# Altium PCB Weather_Station_ETH_HERMETIC.PcbDoc (part 4 of 5)
Units mil, origin at the board's own origin, x right, y up, seen from the top; angles counter-clockwise.
Board outline 6385.86 x 4338.61 mil, 2 copper layers (TopLayer, BottomLayer), stack 61.855 mil thick; 510 components, 370 nets, 1634 pads, 870 vias.
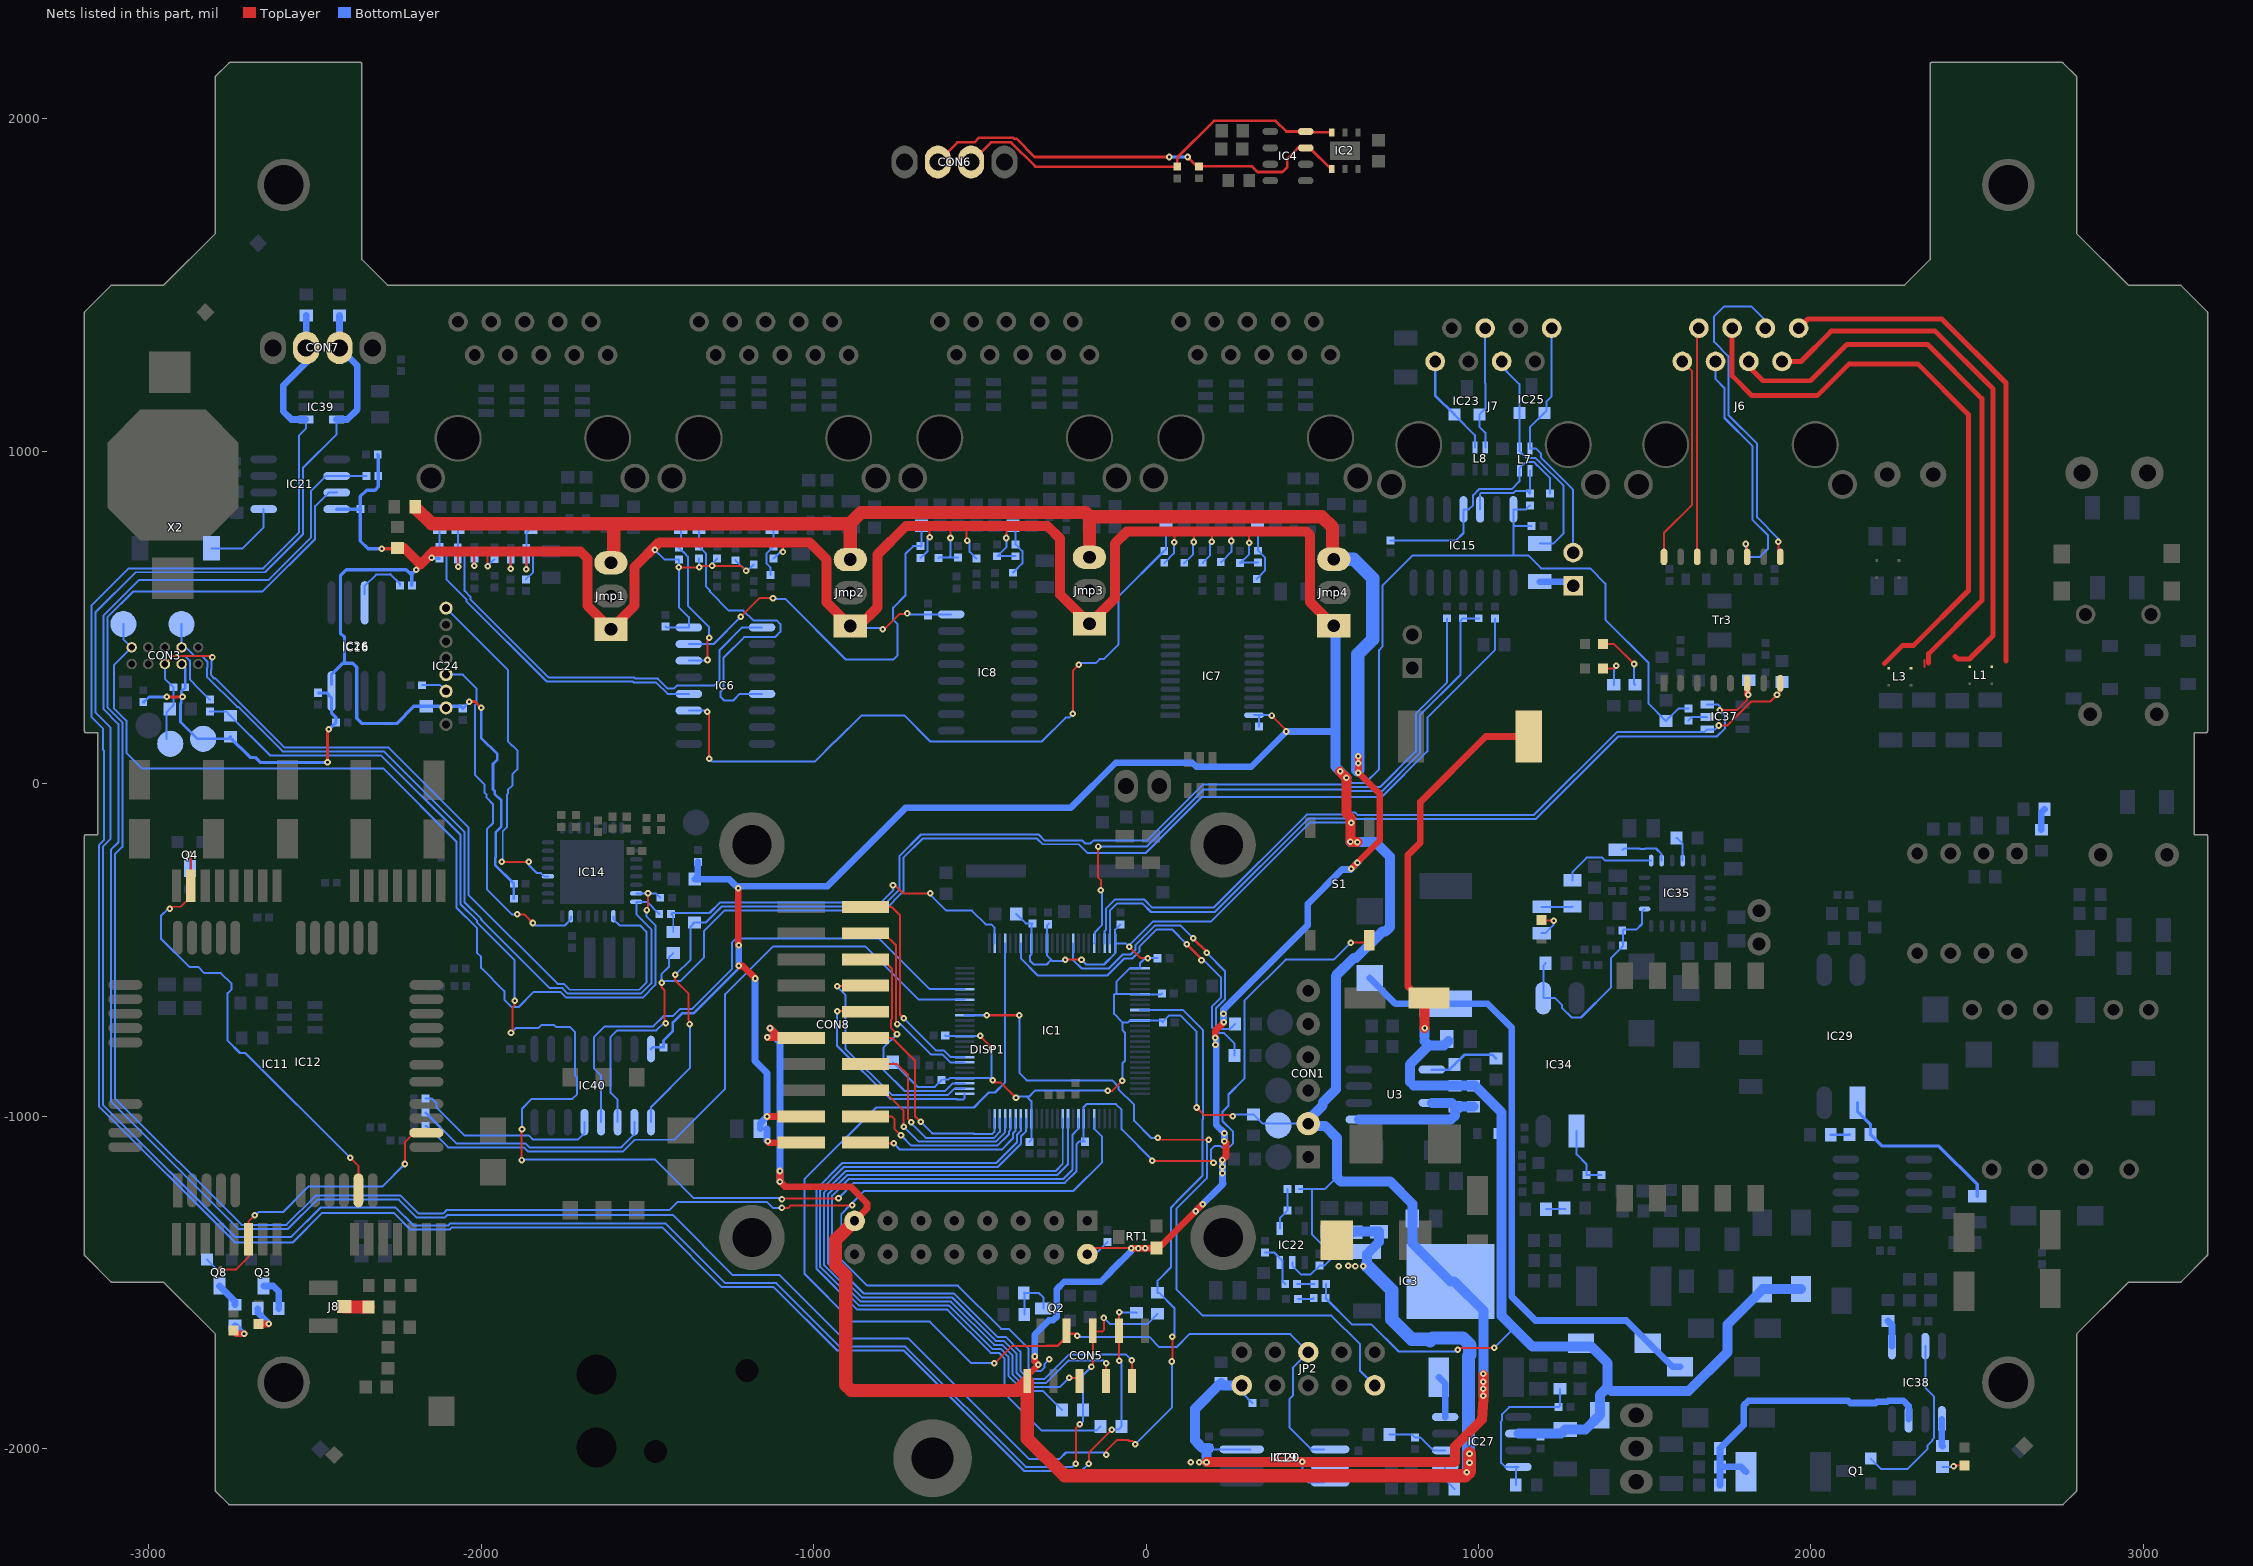
[diagram p4: the nets of this part, all layers, seen from the top]

## Via types
v1: diameter 19.68, hole 7.87, TopLayer to BottomLayer, tented both sides, 857 vias
v2: diameter 31.5, hole 15.75, TopLayer to BottomLayer, tented top, 9 vias
v3: diameter 25.98, hole 12.99, TopLayer to BottomLayer, tented top, 4 vias

## Nets (pads, with @x,y where several pads share a name; then routed paths per layer and width w, separated by ;. In a path a pad name is that pad's centre, name@x,y a point inside that pad or via, vN(x,y) a via of type N, cw(c..) or ccw(c..) an arc to the next point about the centre after c; other vN are vias at no path point) (continued)
NetIC15_11: IC15.11 L7.2 R15.1 R38.2 | length 727.5
  BottomLayer w6: R15.1@735,731.22 932.22,731.22 955,754 IC15.11@955,825 971,825 984,838 984,868.03 1003.09,887.12 1101.12,887.12 1123.25,909.25 L7.2@1123.25,941.54 1123.25,948.36 1143.15,968.25 1166.35,968.25 1177.61,956.99 1178.01,956.99 1215,920 R38.2@1215,872.72
NetIC15_12: IC15.12 L7.1 R16.1 | length 272.3
  BottomLayer w6: IC15.12@1005,825 1005,872 1008.12,875.12 1106.09,875.12 1110.97,880 1147.72,880 R16.1@1155,872.72 1155,941.28 L7.1@1154.75,941.54
NetIC16_3: IC16.3 IC26.3 R47.1 | length 163.5
  BottomLayer w6: IC26.3@-2350,569.17 -2350,595 -2316,629 -2274,629 -2273,630 -2243.72,600.72 R47.1@-2243.72,596
NetIC21_1: IC21.1 X2.1 | length 237.8
  BottomLayer w6: X2.1@-2811,708 -2717,708 -2654.14,770.86 IC21.1@-2654.14,825.78
NetIC22_3: IC22.3 R125.1 R151.2 | length 136
  BottomLayer w6: R151.2@358,-1410.22 385.22,-1410.22 410.5,-1435.5 410.5,-1496.5 R125.1@419,-1505
NetIC22_4: IC22.4 R164.2 R165.2 | length 128.4
  BottomLayer w6: IC22.4@402.5,-1338 402.5,-1306.78 R165.2@425.28,-1284 R164.2@425.28,-1219
NetIC27_4: IC27.4 R60.1 R62.2 R63.2 | length 498.7
  BottomLayer w6: R63.2@1112.5,-2110 1112.5,-2062.5 IC27.4@1120,-2055 1080,-2055 1068,-2043 1068,-1918.01 1071,-1915.01 1071,-1896.3 1092.3,-1875 R62.2@1241.28,-1875 1245,-1871.28 R60.1@1245,-1820
NetIC27_5: IC27.5 R61.2 | length 77.4
  BottomLayer w6: IC27.5@900,-2055 900,-2093.5 R61.2@927.5,-2121
NetIC27_6: IC27.6 R58.2 R59.2 | length 187
  BottomLayer w6: R58.2@732.5,-1958 800.72,-1958 R59.2@809,-1966.28 825.28,-1966.28 864,-2005 IC27.6@900,-2005
NetIC27_8: IC27.8 L12.1 | length 128
  BottomLayer w20: L12.1@880.59,-1785 900,-1804.41 IC27.8@900,-1905
NetIC29_1: IC29.1 R74.2 R147.1 | length 529.9
  BottomLayer w10: IC29.1@2140,-960 2140,-985 2179,-1024 R147.1@2179,-1055 2214,-1090 2385,-1090 2500,-1205 R74.2@2500,-1240.63
NetIC34_1: IC34.1 R6.2 R129.2 | length 189.7
  BottomLayer w6: IC34.1@1295,-1045 1295,-1115 1325,-1145 R129.2@1325,-1177.28 R6.2@1370,-1177.28
NetIC34_3: IC34.3 IC35.1 R7.1 R128.1 R138.2 | length 681.5
  BottomLayer w6: R138.2@1202.01,-540 1195,-547.01 IC34.3@1195,-645 1231,-645 1252,-666 1252,-675.21 1280,-703.21 1308.51,-703.21 1399,-612.72 1399,-524 1435,-488 R7.1@1435,-487 1435,-444.28 R128.1@1432.72,-442 1436.72,-438 1476,-438 1492,-422 1492,-384.65 IC35.1@1499.83,-376.82
NetIC35_5: IC35.5 R44.2 | length 283.6
  BottomLayer w6: R44.2@1283,-290.63 1283,-264.89 1325.59,-222.31 1372.8,-222.31 1381.65,-231.15 IC35.5@1519.51,-231.15
NetIC35_6: IC35.6 R144.2 | length 145.7
  BottomLayer w6: R144.2@1434,-199.26 1438.26,-195 1484.35,-195 1485.2,-195.84 1500.8,-195.84 1501.65,-195 1534,-195 1551.01,-212.01 IC35.6@1551.01,-231.15
NetIC35_8: IC35.8 R143.2 | length 75.6
  BottomLayer w6: R143.2@1596.01,-163 1614,-180.99 IC35.8@1614,-231.15
NetIC37_5: IC37.5 R43.2 | length 60.3
  BottomLayer w6: R43.2@1632,190.28 1642.72,201 IC37.5@1687.85,201
NetIC38_1: IC38.1 R77.2 | length 81
  BottomLayer w20: R77.2@2232,-1616 2244,-1628 IC38.1@2244,-1692
NetIC38_3: IC38.3 Q1.1 | length 537
  BottomLayer w6: Q1.1@2180,-2030 2212,-2062 2289.8,-2062 2351,-2000.8 2351,-1990 2365,-1976 2365,-1973.37 2370,-1968.37 2370,-1843 2344,-1817 IC38.3@2344,-1692
NetIC38_5: IC38.5 R40.2 | length 81.3
  BottomLayer w20: IC38.5@2394,-1912 2394,-1990.5 R40.2@2396,-1992.5
NetIC38_7: IC38.7 L13.2 R126.2 R127.2 R131.2 | length 908.3
  BottomLayer w20: R126.2@1726.5,-2110 R127.2@1726.5,-2055 ; L13.2@1805,-2070 1790,-2055 R127.2@1726.5,-2055 ; IC38.7@2294,-1912 2294,-1872 2278,-1856 2232.4,-1856 2229.24,-1859.16 2198.3,-1859.16 2194.45,-1863 2118.49,-1863 2111.49,-1856 1812.47,-1856 1797.63,-1870.84 1797.63,-1928.87 R131.2@1726.5,-2000 R127.2@1726.5,-2055
NetIC40_1: IC40.1 R37.1 R152.1 | length 3602.3
  TopLayer w6: v1(-1416,-575) -1416,-591.97 -1376,-631.97 -1376,-711 -1373,-714 v1(-1373,-723)
  BottomLayer w6: IC40.1@-1489,-1018 -1489,-973 -1371,-855 -1371,-725 v1(-1373,-723) ; v1(-1416,-575) -1370,-529 -1370,-429.5 R152.1@-1358,-417.5 -1324.5,-417.5 -1276.84,-369.84 -792.87,-369.84 -742.16,-319.13 -742.16,-218.22 -676.78,-152.84 -323.13,-152.84 -305.81,-170.16 -192.49,-170.16 -182.8,-179.84 -167.2,-179.84 -157.51,-170.16 3.81,-170.16 171.97,-2 589.06,-2 597.03,-9.97 705,-9.97 812,97.03 812,211 905,304 R37.1@905,497.57
NetIC40_2: IC40.2 R49.1 | length 724.9
  BottomLayer w6: R49.1@-2167.28,-989 -2074.28,-1082 -1866.64,-1082 -1854.64,-1094 -1578,-1094 -1539,-1055 IC40.2@-1539,-1018
NetIC40_3: IC40.3 R25.1 R153.1 | length 3897.4
  TopLayer w6: v1(-1457,-599) -1457,-613 -1448,-622 -1448,-717 v1(-1445,-720)
  BottomLayer w6: IC40.3@-1589,-1018 -1589,-951 -1610,-930 -1610,-761.3 -1590.7,-742 -1473,-742 -1448,-717 v1(-1445,-720) ; R153.1@-1422,-509.5 -1434.84,-522.34 -1434.84,-550 -1457,-572.16 v1(-1457,-599) -1451.84,-599 -1446.68,-593.84 -1400.84,-593.84 -1329,-522 -1329,-442.34 -1268.51,-381.84 -787.9,-381.84 -729.84,-323.78 -729.84,-222.87 -671.81,-164.84 -328.1,-164.84 -310.78,-182.16 -202.2,-182.16 -176.51,-207.84 0.07,-207.84 167.91,-40 708.91,-40 846,97.09 846,198.37 1050,402.37 R25.1@1050,497.28
NetIC40_5: IC40.5 R48.1 | length 577.7
  BottomLayer w6: R48.1@-2167.28,-947 -2148,-947 -2134.47,-960.53 -2134.47,-973.53 -2050,-1058 -1856.7,-1058 -1844.7,-1070 -1708,-1070 -1689,-1051 IC40.5@-1689,-1018
NetJ6_1: J6.1 Tr3.16 | length 635.3
  TopLayer w6: Tr3.16@1558,682.31 1558,754 1642.98,838.98 1642.98,1240.21 J6.1@1613.11,1270.08
NetJ6_2: J6.2 Tr3.14 | length 689.9
  TopLayer w6: Tr3.14@1658,682.31 1658,1364.97 J6.2@1663.11,1370.08
NetJ6_3: J6.3 Tr3.11 | length 776.1
  TopLayer w6: Tr3.11@1808,682.31 v1@1808,721
  BottomLayer w6: J6.3@1713.11,1270.08 1713.11,1216.89 1740,1190 1740,1100 1824,1016 1824,794 1871,747 1871,707 1846.31,682.31 1816,682.31 1804,694.31 v1(1804,721)
NetJ6_4: J6.4 L3.4 | length 1855.2
  TopLayer w15: J6.4@1763.11,1370.08 1763.11,1226.89 1823,1167 2019,1167 2115,1263 2321,1263 2474,1110 2474,581 2309,416 2276,416 2221,361
NetJ6_5: J6.5 L3.1 | length 1729.8
  TopLayer w6: 2341.57,350.43 2341.57,372.43
  TopLayer w15: J6.5@1813.11,1270.08 1813.11,1254.89 1856,1212 1999,1212 2108,1321 2351,1321 2514,1158 2514,551 2354,391 2354,363
NetJ6_6: J6.6 Tr3.9 | length 1013.1
  TopLayer w6: v1(1902,728) 1902,688.31 Tr3.9@1908,682.31
  BottomLayer w6: J6.6@1863.11,1370.08 1863.11,1393.89 1822,1435 1738,1435 1709,1406 1709,1329 1751.64,1286.36 1751.64,1272.36 1752,1272 1752,1109 1838,1023 1838,801 1902,737 v1(1902,728)
NetJ6_7: J6.7 L1.4 | length 1632.3
  TopLayer w15: J6.7@1913.11,1270.08 1970.08,1270.08 2061,1361 2374,1361 2548,1187 2548,446 2477.05,375.05 2441.95,375.05 2434,383
NetJ6_8: J6.8 L1.1 | length 1551.4
  TopLayer w15: J6.8@1963.11,1370.08 1991.03,1398 2394,1398 2587,1205 2587,369
NetJ8_1: J8.1 R66.2 | length 74
  TopLayer w40: J8.1@-2412.01,-1572.91 -2410.92,-1574 R66.2@-2338.5,-1574
NetJP1_1: JP1.1 R14.2 | length 105.3
  BottomLayer w20: R14.2@1185,607.91 1272.09,607.91 JP1.1@1285,595
NetLED1_A: LED1.A R10.1 | length 181.6
  TopLayer w6: LED1.A@1375,420 1408,420 v1(1468,360)
  BottomLayer w6: v1(1468,360) 1468,300.5 R10.1@1471,297.5
NetLED2_A: LED2.A R21.1 | length 104.1
  TopLayer w6: LED2.A@1375,347 1407,347 v1(1415,355)
  BottomLayer w6: R21.1@1407,297.5 1407,347 v1(1415,355)
NetLED3_K: LED3.K R40.1 | length 67.9
  TopLayer w6: v1(2429,-2053) 2431,-2051 LED3.K@2462,-2051
  BottomLayer w6: R40.1@2396,-2055.5 2426.5,-2055.5 v1(2429,-2053)
NetLED5_K: LED5.K R35.2 | length 73.1
  TopLayer w20: LED5.K@-2745,-1645 -2735.5,-1654.5 v1(-2713,-1654.5)
  BottomLayer w20: R35.2@-2740,-1630 -2715.5,-1654.5 v1(-2713,-1654.5)
NetLED6_K: LED6.K R36.2 | length 88.9
  TopLayer w20: LED6.K@-2669,-1625 -2640,-1625 v1(-2639,-1624)
  BottomLayer w20: R36.2@-2671.5,-1579 -2671.5,-1591.5 v1(-2639,-1624)
NetLED9_A: LED9.A R45.1 | length 95.3
  TopLayer w6: LED9.A@1190,-410 1192,-412 v1(1226,-412)
  BottomLayer w6: R45.1@1190,-449.37 1200.63,-449.37 1226,-424 v1(1226,-412)
NETLIGHT: IC11.13 IC12.21 Q8.1 | length 948.2
  TopLayer w6: v1(-2783,-1462) -2738,-1462 -2700,-1424 IC12.21@-2700,-1370 -2700,-1317 v1(-2681,-1298) ; v1(-2229,-1144) -2229,-1078.09 -2200.91,-1050 IC11.13@-2164.49,-1050
  BottomLayer w6: Q8.1@-2825,-1431 -2794,-1462 v1(-2783,-1462) ; v1(-2681,-1298) -2681,-1293 -2673,-1293 -2668.84,-1288.84 -2595.84,-1288.84 -2518,-1211 -2296,-1211 v1(-2229,-1144)
NetQ2_3: Q2.3 R132.1 R133.1 | length 162.5
  BottomLayer w6: R133.1@-366.01,-1597 -366.01,-1533.5 R132.1@-367.5,-1532 -322,-1532 -309,-1545 Q2.3@-309,-1578
NetQ3_3: Q3.3 R36.1 | length 103.8
  BottomLayer w20: Q3.3@-2654,-1511 -2625,-1511 -2608.5,-1527.5 R36.1@-2608.5,-1579
NetQ8_3: Q8.3 R35.1 | length 75.5
  BottomLayer w20: Q8.3@-2787,-1511 -2740,-1558 R35.1@-2740,-1567.01
NetR8_1: R8.1 R156.2 | length 48.8
  BottomLayer w6: R156.2@457,-1550 501.57,-1550 R8.1@504.57,-1547
NetR20_1: R20.1 R27.1 U3.5 | length 216.1
  BottomLayer w8: U3.5@860,-860 912.99,-860 R27.1@927.99,-845 957.68,-815.31 1041.81,-815.31 R20.1@1053,-826.5
NetR34_2: R34.2 R42.2 U3.1 U3.7 U3.8 | length 451.1
  BottomLayer w30: U3.1@640,-1010 U3.8@860,-1010 917.8,-1010 930,-997.8 R34.2@930,-971.5 ; U3.7@860,-960 918.5,-960 R34.2@930,-971.5 ; R42.2@985,-971.5 R34.2@930,-971.5
NetR44_1: R44.1 R45.2 | length 93.5
  BottomLayer w6: R45.2@1190,-370.63 1281.74,-370.63 R44.1@1283,-369.37
NetR72_2: R72.2 R161.2 | length 65.4
  BottomLayer w20: R161.2@2693,-138.5 2693,-86.5 R72.2@2702.5,-77
NetR125_2: R125.2 R149.1 | length 52.1
  BottomLayer w6: R125.2@454.43,-1505 R149.1@506.57,-1505
NetR142_1: R142.1 R155.2 | length 58.9
  BottomLayer w6: R142.1@1203.5,-1280 1261,-1280 R155.2@1262,-1279
NetR147_2: R147.2 R158.1 | length 56.4
  BottomLayer w8: R158.1@2060,-1056 2115.01,-1056 R147.2@2116.01,-1055
P3V3: C1.1 C3.1 C8.2 C9.1 C10.1 C11.1 C17.1 C26.1 C27.1 C28.1 C31.2 C35.1 C37.1 C38.1 C42.2 C53.1 C83.1 C84.2 C93.2 C95.1 C99.1 C100.1 C102.1 C103.1 C104.1 C107.1 CON1.2 CON3.4 CON8.2 CON8.4 FB1.2 FB2.1 FB3.1 IC1.17 IC1.29 IC1.37 IC1.59 IC1.62 IC1.75 IC1.76 IC1.81 IC1.86 IC3.2 IC6.16 IC7.20 IC8.16 IC15.14 IC16.8 IC19.3 IC19.7 IC19.8 IC20.3 IC20.7 IC20.8 IC21.8 IC22.2 IC24.2 IC26.8 IC40.16 Jmp1.1 Jmp2.1 Jmp3.1 Jmp4.1 JP2.10 R1.2 R2.2 R3.2 R5.1 R13.1 R16.2 R28.2 R29.1 R43.1 R47.2 R76.2 R78.2 R79.1 R80.1 R81.1 R82.1 R83.1 R84.1 R85.1 R86.1 R100.1 R102.1 R108.1 R110.1 R113.1 R117.1 R120.1 R122.1 R130.1 R137.1 R160.1 R164.1 R166.1 R167.1 R168.1 R169.1 R170.1 R171.1 R172.1 TP2.1 TP14.1 | length 25853.2
  TopLayer w6: -2070,698 -2068,698 ; v1(-2069,652) -2069,697 ; -2021,698 -2021,656 v1(-2020,655) ; -1981,698 -1981,655.03 v1(-1979.68,653.72) ; v1(-1911,646) -1911,697 -1910,698 ; v1(-1864,645) -1864,698 ; v1(-1405,651) v1(-1344,651) ; v1@-1339.63,655.37 v1(-1305.35,655.37) -1218.37,655.37 v1(-1203,640) ; v1(-1092,697) -1092,724 -1090,726 ; v1(-792,464) -788,468 -784,468 -741,511 -719,511 v1(-718,512) ; v1(-651,741) -651,775 ; v1(-588,739) -588,772 -585,775 ; -540,775 -540,734.05 v1(-537.35,731.4) ; v1@-498,-760 v1@-464,-794 ; v1@-457,-899 -437,-899 v1(-391,-945) ; v1(-420,739) -420,775 ; v1(-243,-530) -242,-529 v1(-194,-529) ; v1(-115,-924) -101,-924 v1(-71,-894) ; v1(-50,-491) -16,-525 v1(5,-525) ; 82,758 85,755 v1(85,726) ; 142,758 144,756 v1(144,727) ; v1(152,-974) 175,-997 258,-997 v1(261,-1000) ; 196,758 198,756 v1(198,728) ; 253,758 257,754 v1(257,730) ; v1(310,725) 310,757 311,758 ; v1(378,205) v1@422,161
  TopLayer w8: v1(-2946,261) v1(-2898,261) ; v1(-2036,247) -2019,247 v1(-2000,228)
  TopLayer w10: v1(-2462,64) -2462,160.03 v1(-2457.72,164.32) ; v1(-2299,707) -2253.01,707 R28.2@-2251,709.01
  TopLayer w20: v1@-1226,-485 v1(-1226,-315) ; v1@-1224.73,-548.27 -1212.73,-548.27 v1(-1175,-586) ; v1@-1139.92,-1000.92 CON8.4@-1036.91,-1000.92 ; v1@-1134.34,-1079.66 CON8.2@-1036.91,-1079.66
  TopLayer w30: R28.2@-2251,709.01 -2232.23,709.01 -2182.61,659.39 -2144,698 -2070,698 -2069,697 ; -2068,698 -2021,698 -1981,698 -1910,698 -1864,698 -1701,698 -1680.36,677.36 -1680.36,535.33 Jmp1.1@-1609.36,464.33 -1538.36,535.33 -1538.36,651.64 -1464,726 -1090,726 -1012,726 -960.36,674.36 -960.36,545.33 Jmp2.1@-889.36,474.33 -863.67,474.33 -807,531 -807,690 -722,775 -651,775 -585,775 -540,775 -420,775 -296,775 -258,737 -258,568.87 Jmp3.1@-170,480.87 -93,557.87 -93,723 -58,758 82,758 142,758 196,758 253,758 311,758 483,758 494,747 494,546 Jmp4.1@565,475 ; v1(182,-2041) 929,-2041 929,-1994.02 1011,-1912.02 1015,-1850 v1@1015,-1779 ; v1@583.24,36.76 593,27 ; v1(603,18) 603,-90 615,-102 v1@615,-118 ; 615,-143 v1@615,-118 ; v1(636,-175.98) 616.43,-175.98 v1(615,-174.55) v1@615,-118
  BottomLayer w6: R83.1@-2070,674.57 -2070,653 v1(-2069,652) ; v1(-2020,655) R100.1@-2020,677.28 ; v1(-1979.68,653.72) -1979.68,655.32 R113.1@-1960,675 ; v1(-1911,646) R160.1@-1911,674.28 ; v1(-1864,645) R169.1@-1864,674.28 ; v1(-1477,703) -1448.57,674.57 R80.1@-1405,674.57 v1(-1405,651) -1405,531 -1375,501 IC6.16@-1375,470 -1442.72,470 C3.1@-1445,472.28 ; v1@-1345,652 R84.1@-1345,677.28 ; v1@-1305.35,661.94 R102.1@-1290,677.28 ; R117.1@-1235,672.28 -1235,672 v1(-1203,640) -1199.28,640 R166.1@-1180,659.28 ; R170.1@-1120,677.28 -1119.08,677.28 -1099.37,697 v1(-1092,697) ; Jmp2.1@-889.36,474.33 -883.04,468 -788,468 v1(-792,464) ; FB1.2@-761.5,-838 -687.29,-912.2 -634.78,-912.2 -615.28,-892.7 C10.1@-615.28,-891 ; v1(-718,512) -719,511 -717.37,509.37 IC8.16@-586.26,509.37 ; R81.1@-678,679.28 -677.08,679.28 -657.19,699.18 -657.19,734.81 v1(-651,741) ; R85.1@-624,679.28 -623.28,680 -594.14,680 ; C10.1@-608.95,-890.32 -594.32,-890.32 -589,-885 -546.24,-885 IC1.29@-545.69,-885.56 v1@-467.44,-885.56 ; C8.2@-603.95,-757.6 -601.98,-759.57 IC1.37@-545.69,-759.57 v1@-499.57,-759.57 ; v1(-588,739) -588,686.14 -594.14,680 ; R108.1@-565,680 -594.14,680 ; v1(-537.35,731.4) -530.81,724.86 -530.81,697.18 -510.92,677.28 R120.1@-510,677.28 ; v1@-464,-889 v1(-464,-796) ; v1(-420,739) -420,711.37 -447.08,684.28 R171.1@-393,684.28 ; v1@-391,-941 -359,-941 ; C27.1@-390.5,-392 -362.18,-420.32 C35.1@-341.67,-420.32 -344.9,-423.55 IC1.59@-344.9,-480.04 -344.9,-513.25 -348.84,-517.2 -348.84,-532.8 -337.8,-543.84 -298.84,-543.84 -285,-530 ; C104.1@-351,-1077.28 -344.9,-1071.18 IC1.17@-344.9,-1007.6 -344.9,-955.1 -359,-941 ; C102.1@-291.67,-420.32 -297.65,-426.3 IC1.62@-297.65,-480.04 -297.65,-517.35 -285,-530 ; v1(-243,-530) -246.48,-533.48 -281.52,-533.48 -285,-530 ; v1(-194,-529) -179.16,-543.84 -126.28,-543.84 -92.93,-510.49 IC1.75@-92.93,-480.04 ; v1@-116,-923 -334,-923 -352,-941 -359,-941 ; -96,-634 -96,-692.65 -71,-717.65 ; -94,-632 -88.84,-632 ; C38.1@-76.67,-423.04 -92.93,-439.3 IC1.75@-92.93,-480.04 ; v1(-71,-894) -71,-841.65 -63.16,-833.8 -63.16,-748.5 -71,-740.66 -71,-717.65 ; v1(-50,-491) -60.96,-480.04 IC1.75@-92.93,-480.04 ; v1@-50,-486.41 22.25,-414.16 195.84,-414.16 493,-117 v1@616,-117 ; IC1.76@-15.81,-552.53 IC1.76@-18.13,-554.85 ; v1@-3,-525 -18.13,-540.13 IC1.76@-18.13,-554.85 ; v1(5,-525) C103.1@35,-525 ; C9.1@48,-631 45.41,-633.59 IC1.81@-18.13,-633.59 -19.71,-632 -88.84,-632 ; R82.1@55,664.57 55.92,664.57 84,692.65 84,725 v1(85,726) ; R86.1@115,664.57 115.92,664.57 142,690.65 142,725 v1(144,727) ; v1(152,-974) 152,-746.43 102.37,-696.8 70.5,-696.8 51,-716.3 C11.1@51,-718 45.33,-712.33 IC1.86@-18.13,-712.33 -48.57,-712.33 -53.89,-717.65 -71,-717.65 ; R110.1@170,664.57 170.92,664.57 192.19,685.84 192.19,722.19 v1(198,728) ; C100.1@189,-1998.72 192.28,-2002 IC19.3@261,-2002 IC20.3@315,-2002 ; R122.1@225,667.28 227.28,667.28 257,697 v1(257,730) ; v1@263.3,-994.7 R3.2@323,-994.7 350.99,-1022.69 CON1.2@488,-1022.69 ; JP2.10@288,-1810 288,-1830.72 C99.1@320.28,-1863 ; v1(310,725) 310,690.37 R168.1@284.92,665.28 ; R172.1@337,665.28 R168.1@284.92,665.28 ; C1.1@339.72,172 339.72,205.28 339,206 IC7.20@325,206 v1@377,206 ; IC22.2@440,-1440 440,-1450 467,-1477 494.72,-1477 522,-1449.72 C93.2@522,-1449.43 536.72,-1449.43 554.09,-1432.06 554.09,-1408.96 527.14,-1382 525.61,-1382 499.86,-1356.25 499.86,-1219 ; R164.1@460.72,-1219 499.86,-1219 ; IC20.8@535,-2102 490,-2102 470,-2082 v1(470,-2039) 483,-2052 IC20.7@535,-2052 ; IC19.7@572.02,-2052 629,-2052 C31.2@639,-2042 ; 574,-1184 539,-1219 499.86,-1219 ; v1(603,18) 618.97,2.03 659.03,2.03 701,44 701,402 711,412 711,596 802,687 1105,687 ; R16.2@1155,837.28 1142.72,825 IC15.14@1105,825 1105,780 ; C42.2@1160,775 1110,775 1105,780 ; R43.1@1632,225.72 1601.21,225.72 FB2.1@1564,188.5 1512,240.5 1512,363 1382,493 1382,602 1336,648 1188.29,648 1149.29,687 1105,687 ; -88.84,-632 -88.84,-595.12 -48.57,-554.85 IC1.76@-18.13,-554.85 ; R168.1@284.92,665.28 284,665.28 R168.1@283,664.28 283.92,664.28 R168.1@284.92,665.28 ; 1105,687 1105,780
  BottomLayer w8: R130.1@-3016,245.79 -3013.67,245.79 -2998.46,261 v1(-2946,261) ; CON3.4@-2901,360 -2889.78,348.78 R13.1@-2889.78,290 -2901.71,278.07 -2901.71,242.29 -2904,240 -2904,186 -2853,135 TP14.1@-2836,135 -2760.5,135 R1.2@-2754,141.5 ; C84.2@-2055,226.58 -2036,245.58 v1(-2036,247) ; v1(-2000,228) -2000,138.06 -1950.97,89.03 -1950.97,72.97 -1964,59.94 -1964,-17.06 -1959.16,-21.9 -1959.16,-30.87 -1939.16,-50.87 -1939.16,-129.33 -1956,-146.17 -1956,-221 -1957.84,-222.84 -1957.84,-244.59 R78.2@-1901.43,-301 R76.2@-1901.43,-346 ; IC40.16@-1489,-798 -1484,-793 C95.1@-1451.43,-793 -1451.43,-772.43 -1423,-744 -1423,-718.43 -1395.42,-690.84 -1360.66,-690.84 v1@-1221.41,-551.59
  BottomLayer w10: R1.2@-2754,141.5 -2754,138 -2695,79 -2680,79 -2665,64 v1(-2462,64) ; C53.1@-2488.28,273 -2464.85,273 IC26.8@-2450,258.15 -2450,214 -2436.43,200.43 R137.1@-2436.43,184 -2456.12,164.32 v1(-2457.72,164.32) ; IC16.8@-2450,299 -2450,328 -2416,362 -2410.83,362 ; IC21.8@-2434.14,825.78 -2363.22,825.78 C17.1@-2363,826 ; R29.1@-2310.97,990 -2309,988.03 -2309,893 -2319,883 -2344,883 -2363,864 C17.1@-2363,826 ; v1(-2299,707) -2340,707 -2363,730 C17.1@-2363,826 ; R47.2@-2208.28,596 -2208.28,627.28 -2215.5,634.5 ; v1(-2195,643) -2203.5,634.5 -2215.5,634.5 ; v1(-2149,680) -2146.28,677.28 R79.1@-2125,677.28 ; C84.2@-2055,226.58 -2061.06,232.65 C83.1@-2165,232.65 -2202.35,232.65 -2254,181 -2358.03,181 -2374,196.97 -2374,350 -2386,362 -2410.83,362 ; -2410.83,362 -2410.83,440.83 -2423,453 -2423,626 -2405,644 -2225,644 -2215.5,634.5
  BottomLayer w20: Jmp1.1@-1624.69,449 Jmp1.1@-1609.36,464.33 ; C107.1@-1348,-235 -1348,-277.99 FB3.1@-1357.01,-287 -1254,-287 -1233,-308 ; v1@-1226,-308 -958,-308 -722,-72 -226,-72 -90.84,63.16 138.84,63.16 151,51 316.66,51 v1@422,156.34 ; v1(-1225,-548) v1(-1225,-486) ; v1@-1176,-587 -1176,-834 -1140,-870 v1(-1140,-1001) -1160,-1021 C28.1@-1160,-1038 ; v1@-1140,-1074 C28.1@-1140,-1038 ; v1(422,157) 569,157